# KiCad board MPU_MOD.kicad_pcb (continued)
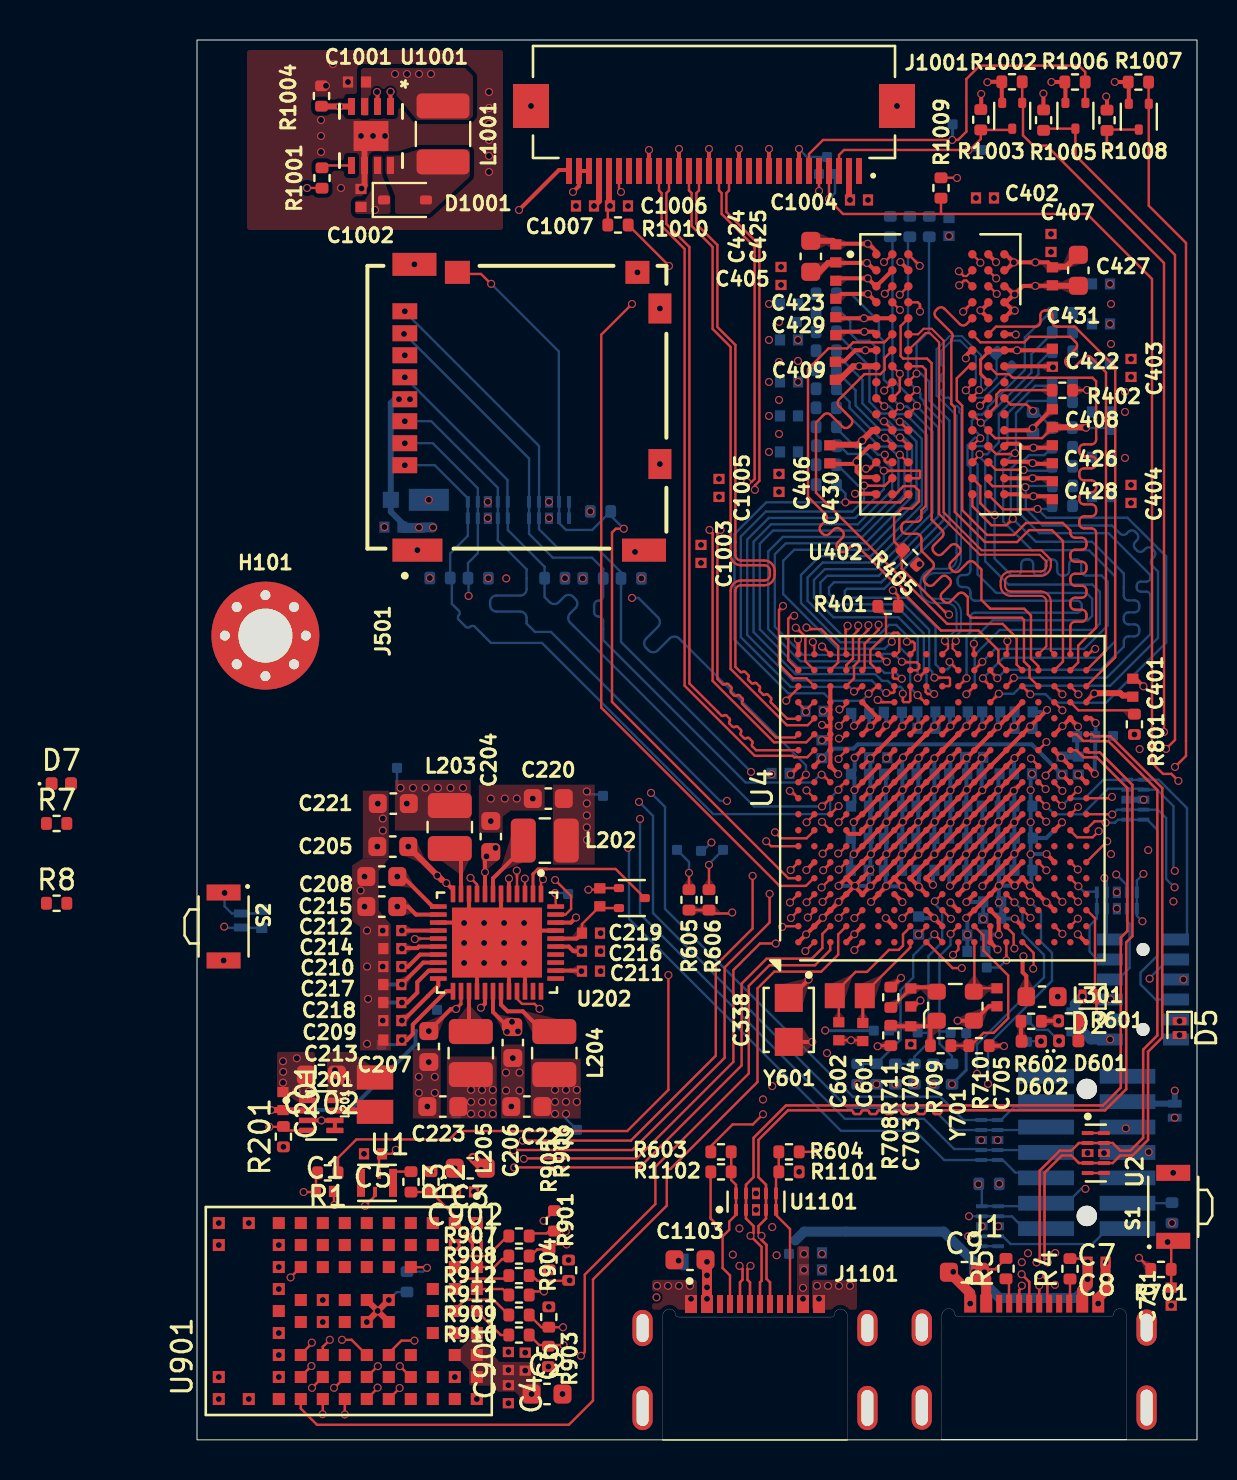
[diagram p0: board, top side]
## Nets (continued)
Net-(U4A-VDD1V2_DSI_PHY): C340.2 U4.A16 U4.B16
Net-(U4A-VDDA1V1_REG): C342.1 U4.W11
Net-(U4A-VDDA1V8_DSI): C343.1 C344.1 U4.B12 U4.V11
Net-(U4A-VREF+): C339.1 C345.1 U4.N3
Net-(U4B-DDR_ZQ): R401.1 U4.F18
Net-(U4C-PA4): R603.1 U4.R4
Net-(U4C-PA5): R604.1 U4.P4
Net-(U4C-PC14): C601.2 U4.H1 Y601.2
Net-(U4C-PC15): C602.1 U4.H2 Y601.1
Net-(U4E-BOOT0): R702.1 R707.2 TP706.1 U4.K1
Net-(U4E-BOOT1): R703.1 R706.1 TP705.1 U4.K4
Net-(U4E-BOOT2): R704.1 R705.2 TP703.1 U4.L2
Net-(U4E-NRST_CORE): C702.2 U4.J2
Net-(U4E-PWR_LP): TP704.1 U4.P1
Net-(U4F-USB_RREF): R801.2 U4.V16
Net-(U201-SW): L201.1 U201.7
Net-(U202-VLX1): L202.1 U202.7
Net-(U202-VLX2): L203.1 U202.11
Net-(U202-VLX3): L204.1 U202.29
Net-(U202-VLX4): L205.1 U202.25
Net-(U202-~{PONKEY}): C203.2 D3.1 S2.1 U202.17
Net-(U202-~{RST}): R203.1 U202.1
Net-(U402-ZQ): R402.1 U402.L8
Net-(U703-I/O_4): U703.5 U703.6
Net-(U901A-CONFIG0): R6.2 U901.D3
Net-(U901A-PDN): C1.1 R1.2 U901.J3
Net-(U901A-SD_CLK): R911.2 U901.A4
Net-(U901A-SD_CMD): R912.2 U901.B4
Net-(U901A-SD_DAT0): R907.2 U901.B3
Net-(U901A-SD_DAT1): R908.2 U901.A3
Net-(U901A-SD_DAT2): R909.2 U901.B5
Net-(U901A-SD_DAT3): R910.2 U901.A5
Net-(U1001-CTRL): R1001.1 U1001.5
Net-(U1001-FB): R1004.2 U1001.2 U1001.4
Net-(Y701-Tri-State): C703.2 R708.2 R709.2 Y701.1
Net-(Y701-VDD): C704.1 R711.1 Y701.4

Pads without a net: C214 2; J1 A8 B8; J701 01 02 09; J1101 A8 B8; U1 1; U2 1 5 6 10; U4 A9 B7 B11 D10 D12 F1 F2 F3 G1 G3 J19 K18 L16 N19 P3 T1 T2 T3 T7 T8 T14 T16 U1 U5 U7 U9 U15 V7 W5 W7; U202 18 33 34 35 37 38; U402 J1 J9 L1 L9 M7; U501 5 6; U901 B6 B9 C1 C2 C4 C5 C6 C8 C9 D1 D2 D7 D9 E1 E2 E3 E8 F1 F2 F3 G1 G2 G3 G4 G5 G7 H1 H2 H3 J1 J2 J4 J5 K1 K5 K9

## Via types
v1: diameter 0.4, hole 0.3, 1L.Cu to 8L.Cu, 769 vias

## Routing (per net, layer and track width the routed paths; a pad name or vN(x,y) marks a point on that pad's centre or on a via; arc(x,y) is an arc through that point)
1V8: length 96.1
  1L.Cu w0.118: R1010.2 20.54,61.6 v1(20.65,61.71) ; v1(38,63.11) 37.99,63.12 R1009.2
  1L.Cu w0.2: v1(45.46,67.18) 45.5,67.14 R1008.2 ; R1003.2 39.21,66.55 v1(39.21,67.31) ; v1(10.25,21.87) 10.52,21.87 11.02,22.37 11.02,22.9 11.59,23.47 U202.21
  1L.Cu w0.3: J1001.26 20.6,61.76 v1(20.65,61.71)
  5L.Cu w0.2: 38.77,63.91 38,63.91 ; 38.77,63.91 40.05,63.91 43,66.86 43,66.87 43.31,67.18 v1(45.46,67.18) ; 38.77,63.91 39.21,63.91 v1(39.21,67.31) ; 38,63.91 v1(38,63.11) ; 38,63.91 36.65,63.91 33.85,61.11 20.95,61.11 20.9,61.06
  5L.Cu w0.5: v1(10.25,21.87) 9.21,22.91 8,22.91 7.14,23.77 7.14,33.25 10.1,36.21 19,36.21 24.2,41.41 24.2,46.41 20.9,49.71 20.9,61.46 v1(20.65,61.71)
  8L.Cu w0.2: TP207.1 9.33,21.87 v1(10.25,21.87)
1V8_WIFI: length 3.9
  1L.Cu w0.118: U1.4 9.1,14.16 C5.1 9.74,14.31 v1(9.94,14.51)
  1L.Cu w0.3: v1(13.99,9.75) 13.96,9.75 v1(13.5,10.21) ; 14.32,13.59 14.28,13.59 v1(14.2,13.51) 14.52,13.51 14.62,13.4
  1L.Cu w0.5: 14.32,13.59 v1(13.8,14.11)
  vias: v1(6.9,18.5) v1(6.9,17.91) v1(7.5,17.91) v1(13.85,12.41)
1V8_WIFI_EN: length 42.8
  1L.Cu w0.118: U4.E3 33.26,26.49 v1(32.87,26.1) ; v1(3.62,15.66) 4.15,15.66 4.17,15.68 R201.2 4.52,15.48 5.53,15.48
  3L.Cu w0.118: v1(28.3,17.03) 28.96,17.03 29.39,17.46 29.39,17.89 33.4,21.9 33.4,25.65 32.95,26.1 v1(32.87,26.1)
  6L.Cu w0.118: v1(3.62,15.66) 4.55,15.66 8,12.21 11.7,12.21 12.1,11.81 16,11.81 17,12.81 17.04,12.81 19.31,15.08 26.28,15.08 28.23,17.03 v1(28.3,17.03)
2V8: length 80.8
  1L.Cu w0.2: U202.23 12.45,22.44 10.79,20.77 10.79,20.3 10.49,20 v1(10.25,20) 10.25,19.85
  1L.Cu w0.3: J1001.27 20.1,61.96 v1(19.85,61.71) ; v1(32.65,62.01) 32.6,62.06 J1001.2
  5L.Cu w0.5: v1(32.65,62.01) 32.65,62.46 32,63.11 20.7,63.11 19.85,62.26 v1(19.85,61.71) 19.6,61.46 19.6,49.21 23.2,45.61 23.2,42.01 18.6,37.41 9.5,37.41 6.1,34.01 6.1,23.21 9.31,20 v1(10.25,20)
  8L.Cu w0.15: v1(10.25,20) 10.02,19.77 TP203.1
3V3: length 152.1
  1L.Cu w0.118: R906.2 17.36,10.96 v1(17.33,10.96)
  1L.Cu w0.2: R602.2 42.24,20.96 v1(43.08,20.96) ; v1(42.32,67.33) 42.32,66.52 R1005.2 ; U202.22 12.06,22.72 10.31,20.97 v1(10.25,20.97) 10.25,20.77 ; U202.27 14.4,21.82 v1(14.19,21.61)
  3L.Cu w0.2: v1(14.19,21.61) 14.19,17.47 14.29,17.37
  5L.Cu w0.118: v1(19.29,43.08) 19.3,43.09 19.3,46.07 v1(19.67,46.43)
  5L.Cu w0.2: 10.5,62.16 14.75,62.16 18,65.41 35.69,65.41 38.74,68.46 41.19,68.46 v1(42.32,67.33)
  5L.Cu w0.5: 7,43.1 v1(11.64,43.1) ; v1(10.25,20.97) 10.38,21.11 12.2,21.11 13.79,19.52 13.79,17.37 ; v1(10.5,68.31) 10.5,61.01 7,57.51 7,38.41 4.8,36.21 4.8,22.34 8.61,18.52 10.01,18.52 11.1,19.61 12.2,19.61 13,18.81
  6L.Cu w0.2: 14.79,16.37 15.45,15.71 25.25,15.71 28.14,18.6 33.89,18.6 34.72,19.43 34.72,20.43 35.8,21.51 38.6,21.51 39.15,20.96 v1(43.08,20.96)
  8L.Cu w0.118: v1(13.7,16.31) 12.99,16.31 TP211.1
  8L.Cu w0.15: v1(22.22,43.08) 22.22,43.08
  8L.Cu w0.5: 11.78,45.63 11.28,45.63
  vias: v1(9.9,68.31) v1(11.1,68.31) v1(11.1,45.63) v1(11.7,68.31) v1(11.8,45.63) v1(13.7,17.51) v1(13.7,16.91) v1(14.25,17.51) v1(14.25,16.91) v1(14.25,16.31) v1(14.57,43.09) v1(14.79,17.51) v1(14.79,16.91) v1(14.79,16.31) v1(15.46,43.08) v1(15.57,3.5) v1(15.57,2.74) v1(16.41,3.47) v1(16.72,2.3) v1(17.6,8.51) v1(17.59,6.66) v1(17.57,3.67) v1(18.4,43.09) v1(18.58,9)
/MPU_PWR/VDDA: length 7.6
  1L.Cu w0.2: L301.2 41.46,23.21 41.28,23.39 41.28,24.1 41.32,24.14 v1(41.32,24.19) ; v1(38.47,26.9) 38.47,26.9 U4.M4 38.87,27.29
  3L.Cu w0.2: v1(41.32,24.19) 41.29,24.22 41.29,24.93 40.17,26.05 v1(39.31,26.05)
  8L.Cu w0.2: 39.31,26.06 v1(39.31,26.05) 39.31,26.87 39.28,26.9 v1(38.47,26.9)
GND: length 245
  1L.Cu w0.118: v1(44.5,52.51) 44.48,52.49 R402.2 ; C601.1 33.25,19.99 v1(32.7,19.99) C602.2 ; U4.U17 42.87,37.69 v1(43.27,37.29) ; U402.J2 34.77,52.89 v1(34.36,52.48) ; U402.J2 34.77,52.89 ; U402.J2 34.78,52.89 ; 43.72,33.69 U4.V12 ; U1.2 8.9,12.21 v1(8.4,11.71) ; R1102.1 25.68,13.4 25.68,11.08 v1(26.05,10.71) ; v1(44.91,39.56) 44.83,39.56 44.56,39.29 U4.W19 ; v1(34.79,42.49) 35.06,42.22 R401.2 ; C1.2 6.85,11.76 v1(6.86,11.75)
  1L.Cu w0.15: U402.P1 33.64,48.57 v1(33.45,48.57) ; v1(36.17,21.98) 35.87,21.68 C704.2 ; U402.T1 33.93,47.29 ; U402.G9 U402.G8 39.57,54.41 39.18,54.02 39.18,53.81 39.18,53.31 39.57,52.92 U402.J8
  1L.Cu w0.2: U4.H15 v1(35.27,35.69) U4.G14 U4.E12 ; U4.R6 U4.P5 ; U4.P5 40.52,28.09 v1(40.89,27.72) 41.26,28.09 U4.R5 v1(41.66,27.71) v1(42.47,26.89) U4.U3 ; U4.P5 v1(40.09,27.72) U4.N4 ; U4.K5 v1(38.45,29.28) U4.R10 ; U202.30 15.6,24.27 ; v1(33.67,28.5) 33.27,28.1 U4.E5 ; U4.R8 v1(40.05,29.28) U4.L4 v1(38.47,27.69) ; U4.V12 43.24,34.12 v1(43.21,34.12) 42.87,34.47 U4.U13 ; v1(31.3,36.46) 31.31,36.46 31.36,36.51 31.67,36.51 ; U4.U8 43.25,30.88 v1(43.25,30.89) ; U202.6 15.2,25.07 U202.45 ; U4.D5 32.46,28.09 v1(32.08,27.71) ; U4.D5 U4.E4 v1(33.67,27.7) v1(35.25,29.28) v1(36.88,30.91) U4.K9 v1(38.49,32.51) U4.R14 v1(41.66,35.68) U4.T15 42.08,36.09 v1(42.5,36.51) ; U4.D5 U4.E6 v1(35.29,30.91) U4.H9 v1(38.48,34.11) U4.N14 v1(40.04,35.67) U4.P15 U4.R16 ; U402.D8 39.57,56.84 39.21,56.49 v1(39.17,56.49) 39.57,56.09 U402.E8 ; 27.1,63.51 v1(27.1,64.56) ; Q3.2 46.59,67.88 R1007.1 46.56,67.91 v1(45.89,67.91) ; 28.6,63.51 v1(28.6,64.56) ; 25.6,63.51 v1(25.6,64.56) ; v1(30.05,40.03) 30.07,40.01 U4.A19 ; Q2.2 43.42,67.88 R1006.1 v1(42.72,67.91) ; U202.41 15.6,25.47 ; U4.U14 v1(43.27,35.7) U4.V15 43.67,36.06 v1(44.05,35.67) ; 31.67,36.51 U4.C17 ; 31.67,36.51 31.67,35.69 ; 42.77,58.67 42.55,58.89 v1(41.92,58.89) v1(40.84,58.89) ; U402.G9 v1(41,54.49) 42.66,54.49 ; U402.B3 35.57,58.51 v1(35.17,58.91) ; v1(38.03,20.97) Y701.2 38.87,20.97 39.59,21.69 C705.1 ; U4.E14 v1(33.67,35.69) U4.F15 U4.E16 ; U4.N4 39.72,27.29 ; U4.N4 U4.M3 38.85,26.49 v1(38.46,26.1) ; U402.A9 40.44,59.29 v1(40.84,58.89) ; v1(32.9,47.32) 33.78,47.32 33.84,47.38 ; 31.67,35.69 31.31,35.69 v1(31.25,35.76) ; 31.67,35.69 31.67,35.05 ; 40.37,50.49 41.68,50.49 v1(41.79,50.59) 42.77,51.57 ; U201.5 U201.6 v1(6.22,15.98) 5.53,15.98 ; U202.32 16.4,23.47 16.19,23.69 ; U4.G4 34.88,27.29 v1(35.27,26.9) ; v1(42.48,29.3) 42.87,28.91 U4.U6 ; Q1.2 40.24,66.88 R1002.1 39.54,67.92 v1(39.52,67.9) ; v1(30.76,19.91) 30.76,19.91 C338.2 ; U4.K2 v1(36.87,26.1) U4.J3 ; 42.77,48.81 41.93,48.81 41.89,48.85 v1(41.78,48.85) 41.74,48.81 41.74,48.89 41.71,48.92 40.39,48.92 U402.P9 ; 42.77,47.01 42.59,47.19 v1(41.82,47.19) 41.31,47.19 41.22,47.29 U402.T9 ; U4.R12 v1(38.49,30.91) U4.L8 v1(36.87,29.29) U4.H5 v1(36.09,27.67) U4.J4 ; U402.F9 40.93,55.29 v1(40.94,55.28) ; v1(40.35,19.7) 40.33,19.72 R710.2 ; v1(34.44,26.1) 34.85,25.69 U4.G2 ; v1(40.84,58.89) 40.44,58.49 U402.B9 ; 35.62,21.69 35.69,21.62 ; U4.E5 33.28,28.09 ; U4.E5 v1(32.08,26.91) v1(31.29,26.11) v1(30.46,25.28) U4.A1 ; U402.G1 v1(33.42,54.49) 32.91,54.49 32.37,53.95 32,53.95 ; 24.1,63.51 v1(24.1,64.56) ; 31.67,35.05 U4.C12 31.67,33.69 v1(32.06,33.3) ; 31.67,35.05 31.31,35.05 v1(31.25,34.99) ; v1(30.47,28.5) 30.47,28.5 U4.B6 ; U4.E2 v1(32.87,25.29) U4.D1 ; U402.D1 v1(33.55,57.31) 32.21,57.31 31.94,57.04 ; 13.6,26.46 13.61,26.45 ; v1(44.04,25.29) 44.44,24.89 U4.W1 ; J1001.22 v1(22.6,64.51) ; 31.94,58.86 v1(33.5,58.86) 33.52,58.86 33.89,58.49 U402.B1 ; U4.K15 U4.J14 v1(35.3,34.13) v1(33.66,32.48) U4.E10 ; C401.1 46.94,38.07 v1(47.32,37.69) ; U202.26 14,23.87 ; U4.M15 v1(38.47,35.69) U4.L14 v1(35.28,32.5) U4.G10 v1(33.67,30.89) U4.E8 33.27,30.44 33.14,30.31 32.6,30.31 32.47,30.44 U4.D8 ; 30.1,63.51 v1(30.1,64.56) ; v1(40.89,26.07) U4.R2 ; 31.94,56.18 32.03,56.09 v1(33.35,56.09) U402.E1 U402.E2 ; U202.15 14,25.87 ; U202.10 13.6,26.27
  1L.Cu w0.3: 42.66,54.49 42.77,54.6 42.77,54.6 ; C427.1 43.47,58.67 42.77,58.67 ; U1001.9 8.37,64.88 U1001.6 8.37,62.73 v1(8.22,62.58) C1002.1 ; 31.64,49.77 33.05,49.77 v1(33.26,49.98) 33.77,50.49 U402.M1 ; U901.F4 v1(9.03,6.45) U901.E5 ; U402.M9 40.37,50.49 ; v1(9.59,7) v1(8.49,5.9) ; C424.1 31.11,58.41 31.56,58.86 31.94,58.86
  1L.Cu w0.5: C9.1 37.61,8.39 38.66,7.34 v1(38.66,6.82) ; v1(45.06,6.82) 45.06,7.1 45.43,7.47 v1(45.43,8.07) v1(45.43,8.89)
  8L.Cu w0.118: v1(25.72,29.88) 25.3,29.46 TP605.1 ; v1(9.59,7) 9.99,7.4 R6.1 ; C203.1 1.42,25.61 v1(1.36,25.67) 1.43,25.6 ; v1(30.1,64.56) 30.5,64.16 TP1005.1 ; 23.97,8.91 24.03,8.97 v1(24.08,8.97)
  8L.Cu w0.15: v1(37.75,17.79) 38.46,18.5 TP707.1
  8L.Cu w0.2: v1(38.47,35.69) 38.54,35.77 C325.1 38.47,36.34 ; v1(36.87,29.29) 36.87,29.3 C315.1 v1(36.87,32.51) v1(36.87,34.09) ; C308.1 33.59,27.71 v1(32.9,27.71) v1(32.08,27.71) ; C702.1 36.16,26.1 v1(36.87,26.1) ; v1(33.67,30.89) 33.67,30.89 33.67,31.56 ; v1(33.67,30.89) 33.67,30.9 v1(33.67,34.09) ; v1(33.67,30.89) 33.67,30.89 33.67,30.25 33.8,30.12 33.69,30.01 v1(33.69,29.29) 33.67,29.27 33.67,28.65 ; 38.52,24.46 v1(38.52,25.27) 38.52,26.04 v1(38.46,26.1) ; v1(40.89,27.72) 40.89,27.72 v1(40.09,27.72) ; v1(33.67,35.69) 33.61,35.75 C329.1 ; 35.22,33.3 35.27,33.25 35.27,30.14 35.22,30.09 35.22,28.49 ; v1(40.09,27.72) 40.09,28.49 40.07,28.51 v1(40.07,30.92) v1(40.07,32.51) 40.07,33.25 C307.1 ; v1(40.09,27.72) 40.09,27.72 40.09,26.99 40.21,26.87 40.21,26.05 40.23,26.07 v1(40.89,26.07) ; v1(41.75,33.31) 41.68,33.24 v1(41.68,32.5) v1(41.68,30.9) v1(41.68,29.29) ; C327.1 35.24,35.72 v1(35.27,35.69) ; v1(41.68,29.29) 41.69,29.3 v1(42.48,29.3) ; v1(41.68,29.29) 41.68,28.53 41.72,28.49 41.72,27.77 v1(41.66,27.71) ; v1(44.05,35.67) 44.05,35.2 C341.2 44.01,34.22 C342.2 ; v1(43.25,30.89) 42.46,30.1 C302.1 ; 33.61,36.39 33.67,36.33 ; v1(40.04,35.67) 40.04,35.67 40.04,36.29 C324.1 ; 38.47,36.42 38.47,36.42 ; v1(35.3,34.13) 35.26,34.09 C321.1 ; v1(38.48,34.11) 38.47,34.09 v1(38.47,27.69) ; 41.68,36.31 C328.1 42.4,36.41 v1(42.5,36.51) ; C336.2 38.47,28.53 ; v1(36.87,35.69) 36.87,36.36 C326.1 ; v1(36.09,27.67) 36.09,28.4
  8L.Cu w0.3: v1(47.33,32.02) U5.8 ; D1101.2 23.97,8.91 ; C344.2 C342.2
  8L.Cu w0.5: v1(44.27,22.18) 43.89,21.8 D4.2
  vias: v1(1.09,10.85) v1(1.09,9.75) v1(1.09,3.15) v1(1.09,2.05) v1(1.33,23.98) v1(2.59,10.85) v1(2.59,2.05) v1(4.09,9.75) v1(4.09,8.65) v1(4.09,7.55) v1(4.09,5.35) v1(4.09,4.25) v1(4.09,3.15) v1(4.3,18.94) v1(4.31,18.41) v1(4.3,17.87) v1(4.32,14.66) v1(4.99,19.09) v1(4.98,17.43) v1(5.59,17.43) v1(6.2,66.01) v1(6.2,65.21) v1(6.2,64.41) v1(6.29,7) v1(6.29,5.9) v1(6.45,67.72) v1(6.8,68.81) v1(7.2,62.61) v1(7.55,67.91) v1(8.2,65.21) v1(8.18,27.48) v1(8.35,14.31) v1(8.38,28.17) v1(8.38,26.67) v1(8.5,25.47) v1(8.5,23.67) v1(8.5,19.81) v1(8.56,22.05) v1(8.8,65.21) v1(9.04,31.82) v1(9.02,29.67) v1(9.29,31.07) v1(9.29,30.47) v1(9.28,25.47) v1(9.28,23.67) v1(9.28,20.97) v1(9.4,65.21) v1(9.37,45.65) v1(10.39,54.24) v1(10.87,58.79) v1(11.02,44.5) v1(11.09,18.16) v1(11.09,17.36) v1(11.52,16.67) v1(11.59,47.01) v1(11.59,18.9) v1(11.7,13.42) v1(11.89,18.16) v1(11.89,17.36) v1(12.89,13.59) v1(12.89,9.75) v1(12.89,3.15) v1(12.95,12.41) v1(13.36,25.85) v1(13.36,24.85) v1(13.36,23.85) v1(13.99,10.85) v1(13.99,2.05) v1(14.36,25.85) v1(14.36,24.85) v1(14.36,23.85) v1(14.54,46.91) v1(14.54,46.09) v1(14.6,67.41) v1(14.6,66.61) v1(14.6,65.81) v1(14.6,65.01) v1(14.6,64.21) v1(14.6,63.41) v1(14.69,32.07) v1(14.69,30.95) v1(15.39,32.07) v1(15.36,25.85) v1(15.36,24.85) v1(15.36,23.85) v1(15.45,18.37) v1(15.45,17.47) v1(15.57,4.4) v1(15.57,1.84) v1(15.72,16.67) v1(15.79,19.1) v1(15.99,32.07) v1(16.12,18.37) v1(16.12,17.47) v1(16.36,25.85) v1(16.36,24.85) v1(16.36,23.85) v1(16.41,4.37) v1(16.7,66.71) v1(16.79,32.07) v1(17.6,46.91) v1(17.6,46.09) v1(18.28,2.3) v1(18.95,61.71) v1(20.18,25.35) v1(20.18,24.45) v1(20.18,23.45) v1(21.55,61.71) v1(21.9,44.41) v1(22.02,58.39) v1(23,7.71) v1(23.14,56.58) v1(23.14,48.8) v1(23.55,7.71) v1(24.1,7.71) v1(24.65,7.71) v1(24.7,7.06) v1(25.2,43.86) v1(26.1,47.16) v1(26.79,9.27) v1(27.12,10.58) v1(27.95,12.33) v1(27.95,11.51) v1(28.6,56.81) v1(28.6,55.01) v1(28.6,52.91) v1(28.6,51.21) v1(28.6,49.41) v1(28.73,33.3) v1(28.76,10.65) v1(28.98,9.24) v1(29.1,55.91) v1(29.1,53.91) v1(29.1,52.01) v1(29.1,50.31) v1(29.1,48.31) v1(29.2,57.76) v1(30.11,13.41) v1(31,7.71) v1(31.1,7.06) v1(31.25,9.31) v1(31.25,8.51) v1(31.55,7.71) v1(32.1,7.71) v1(32.65,7.71) v1(33.55,62.01) v1(33.97,17.79) v1(35,66.71) v1(35.69,19.79) v1(35.87,17.79) v1(36.13,43.8) v1(37.6,60.21) v1(37.81,8.41) v1(38.95,62.11) v1(39.21,15) v1(39.24,10.69) v1(40.03,15) v1(40.09,26.88) v1(40.06,10.69) v1(41.24,8.89) v1(41.55,9.34) v1(42.7,60.31) v1(42.91,9.35) v1(42.9,7.76) v1(44.53,14.35) v1(45.35,14.35) v1(45.65,57.81) v1(45.7,56.81) v1(45.65,55.81) v1(45.7,54.81) v1(45.99,27.39) v1(45.99,26.57) v1(46.4,52.41) v1(46.4,51.41) v1(46.4,49.11) v1(46.44,15.58) v1(46.7,53.16) v1(46.7,47.76) v1(46.87,35.28) v1(47.59,14.4) v1(48.71,6.72) v1(48.81,13.36) v1(48.75,10.85) v1(48.89,16.12) v1(49.13,20.25)
VDD: length 70.9
  1L.Cu w0.118: R701.2 47.11,9.11 v1(47.1,9.11) ; R605.2 25.1,26.5 ; 25.1,26.5 25.5,26.5 ; 25.1,26.5 R606.2 25.73,26.5 25.9,26.33 26.71,26.33 v1(26.76,26.38) ; U202.31 16,22.06 16.25,21.81 16.88,21.81 v1(17.12,21.56)
  1L.Cu w0.2: U4.N2 U4.N1 39.67,24.89 v1(40.03,24.53) ; v1(39.27,27.7) 39.66,28.09 U4.N5 U4.R7 ; v1(29.68,33.28) 30.07,33.67 U4.A12 ; U202.42 18.69,25.87 v1(18.95,26.13) ; v1(35.2,23.11) 35.08,22.99 35.08,22.98 34.69,22.59 ; v1(37.67,26.88) 38.06,26.49 U4.L3 ; v1(34.47,34.09) 34.47,34.1 U4.G13 ; U4.R11 v1(40.84,32.47) U4.M8 v1(37.66,29.28) U4.J5 36.47,28.09 v1(36.8,27.76) ; U4.R9 v1(40.86,30.89) v1(39.26,29.28) U4.L5 37.67,27.7 v1(37.65,27.7)
  3L.Cu w0.2: 17.99,17.37 17.99,19.85 17.1,20.74 17.1,21.53 v1(17.12,21.56) ; v1(18.95,26.13) 18.95,26.1 18.11,25.25 18.11,20.65 18.49,20.27 18.49,17.37
  5L.Cu w0.2: v1(34.47,34.09) 34.47,35.11 34.85,35.11 ; 34.85,35.11 32.85,35.11 32.3,34.56 30.55,34.56 29.68,33.69 v1(29.68,33.28) ; 34.85,35.11 41.55,35.11 42.5,34.16
  8L.Cu w0.118: TP210.1 18.45,16.06 v1(18.45,16.31)
  8L.Cu w0.15: v1(31.41,20.48) 31.42,20.47 TP701.1
  8L.Cu w0.2: 40.82,28.49 40.87,28.54 v1(40.87,29.31) C306.2 40.87,32.44 v1(40.84,32.47) ; 39.19,28.49 39.27,28.57 v1(39.27,30.88) 39.27,31.67 C337.1 ; v1(37.66,29.28) 37.67,29.27 37.67,28.55 C336.1 37.61,27.74 v1(37.65,27.7) ; 34.48,34.1 v1(34.47,34.09) ; v1(36.8,27.76) 36.8,28.42 C301.2
  8L.Cu w0.3: v1(48.89,17.47) D6.1 46.63,16.82 J701.03
  vias: v1(17.9,17.51) v1(17.9,16.91) v1(17.9,16.31) v1(18.45,17.51) v1(18.45,16.91) v1(18.99,17.51) v1(18.99,16.91) v1(33.03,17.79) v1(34.92,17.79) v1(36.81,17.79) v1(43.04,22.17)
VDD_CORE: length 65.5
  1L.Cu w0.2: v1(32.88,34.12) 33.25,34.49 U4.E13 ; v1(32.87,32.5) 33.26,32.89 U4.E11 U4.F12 ; U4.L13 v1(37.67,34.1) U4.G9 v1(34.47,30.89) U4.E7 32.87,29.29 v1(32.83,29.29) ; U4.F4 v1(36.06,29.29) v1(39.26,32.49) v1(40.87,34.1) U4.R13 ; U4.F4 34.06,27.29 ; U4.F4 34.07,27.28 v1(33.7,26.91) ; U202.5 v1(15.6,28.07) ; U4.G5 v1(35.28,27.69) U4.H4 ; U4.J13 v1(36.08,34.1) U4.G11 U4.E9 33.23,31.29 v1(32.83,30.89) ; U4.F6 U4.N13
  3L.Cu w0.2: v1(15.6,28.07) 15.59,28.07
  5L.Cu w0.2: 19.49,30.67 17.34,30.67 15.44,28.76 15.44,28.23 15.59,28.07
  8L.Cu w0.118: v1(19.49,32.43) 19.64,32.28 20.22,32.28 TP208.1
  8L.Cu w0.2: 34.44,31.82 v1(34.44,32.51) 34.44,33.18 34.32,33.3 ; v1(34.47,29.29) 34.47,29.92 ; v1(34.47,29.29) 34.47,30.89 v1(34.47,30.89) 34.47,31.55 ; v1(34.47,29.29) 34.44,29.26 34.44,28.52 ; C321.2 34.44,33.38 ; v1(35.28,27.69) 34.46,27.69 v1(34.45,27.69) 34.43,27.72 34.43,28.41 C312.2 ; C313.2 32.87,31.87 v1(32.87,32.5) 32.87,33.13 C314.2 32.88,33.48 v1(32.88,34.12) ; v1(37.67,34.1) 37.67,34.1 v1(37.67,32.49) v1(37.67,30.87) 37.67,30.16 C320.2 ; 35.28,27.68 35.28,27.68 ; v1(36.06,29.29) 36.07,29.3 36.07,29.99 C315.2 36.06,30.18 v1(36.06,30.91) v1(36.06,32.51) 36.06,33.23 C309.2 36.07,33.4 36.07,34.1 v1(36.08,34.1) ; 34.32,28.49 34.45,28.36 ; v1(39.23,34.09) C307.2 39.23,32.52 v1(39.26,32.49) ; 32.64,28.52 32.72,28.6 32.72,29.17 v1(32.83,29.29) v1(32.83,30.89) ; v1(40.87,34.1) 40.85,34.08 C322.2
  vias: v1(19.49,31.83) v1(19.49,31.23) v1(19.49,30.63) v1(19.5,30.01)
VDD_DDR: length 56.3
  1L.Cu w0.118: U402.H2 34.77,53.69 v1(35.14,53.32) 35.14,52.45 34.78,52.09 ; v1(13.67,28.11) 14,27.78 U202.9 ; v1(35.15,56.51) 34.77,56.89 U402.D2
  1L.Cu w0.15: v1(39.15,51.72) 39.52,52.09 U402.K8
  1L.Cu w0.2: U402.N1 33.62,49.69 32.98,49.05 v1(32.98,48.91) 32.98,48.81 ; 13.7,28.11 v1(13.67,28.11) 13.67,28.17 ; 40.64,56.37 40.74,56.48 v1(40.89,56.48) ; 40.64,56.37 40.37,56.11 U402.E9 ; 40.64,56.37 40.77,56.51 40.39,56.89 U402.D9 ; U4.F14 34.43,35.66 34.43,35.72 v1(34.46,35.74) 34.52,35.74 U4.G15 ; U4.J15 v1(36.07,35.69) U4.H14 35.67,35.24 ; 31.64,48.81 32.98,48.81 ; 32.98,48.81 32.98,48.43 33.26,48.15 33.88,48.15 33.94,48.09 U402.R1 ; U402.C1 33.97,57.74 ; U402.C1 33.94,57.69 v1(33.54,58.09) 32.03,58.09 31.94,58 32.06,58.12 ; U402.C1 U402.B2 ; U202.13 11.78,26.67 10.28,28.17 v1(10.02,28.17) ; U402.D9 40.45,56.89 40.85,57.29 v1(40.88,57.29) ; U402.D9 40.37,56.94 ; U402.R9 v1(41.78,48.09) 42.65,48.09 42.77,47.97 ; U402.F1 33.84,55.42 v1(33.37,55.42) 32.2,55.42 31.99,55.21 ; 42.77,57.71 v1(41.92,57.71) 41.92,57.71 41.3,57.71 v1(40.88,57.29) ; U4.R15 v1(40.85,35.68) U4.P14 ; U4.L15 v1(37.67,35.69) U4.K14 ; U402.A8 39.57,59.28 v1(39.95,58.9) ; v1(42.8,53.64) 42.73,53.64 42.68,53.69 U402.H9 ; v1(38.44,54.09) 38.39,54.14 38.39,54.17 38.71,54.49 U402.G7 ; U4.M14 v1(39.27,35.69) U4.N15 ; v1(40.88,57.29) 40.83,57.29 40.43,57.69 U402.C9 ; v1(32.85,35.71) 32.88,35.71 U4.E15 33.26,36.09 ; U402.N9 40.49,49.82 41.09,49.82 41.29,49.62 v1(41.82,49.62) 42.61,49.62 42.77,49.77 ; 31.94,59.82 v1(33.54,59.82) 33.58,59.82 33.97,59.43 U402.A1
  1L.Cu w0.3: C424.2 31.8,59.96 31.94,59.82 ; 42.77,57.71 42.77,57.72 C427.2
  4L.Cu w0.118: v1(13.3,32.61) 13.67,32.23 v1(13.67,28.11)
  4L.Cu w0.2: v1(10.02,28.17) 9.88,28.31 9.88,32.31 v1(10.17,32.61)
  8L.Cu w0.118: 10.1,32.61 10,32.71 TP209.1
  8L.Cu w0.2: v1(37.67,35.69) 37.64,35.72 C325.2 ; 32.71,36.39 32.85,36.25 v1(32.85,35.71) ; 36.1,35.66 v1(36.07,35.69) 36.07,36.36 C326.2 ; v1(40.85,35.68) 40.85,36.38 C328.2 ; C327.2 34.46,36.27 v1(34.46,35.74) ; v1(39.27,35.69) 39.27,36.4 C324.2
  vias: v1(10.49,31.82) v1(10.8,32.61) v1(11.42,32.61) v1(12.05,32.61) v1(12.67,32.61) v1(25.2,44.76) v1(26.1,48.06) v1(29.1,47.41) v1(29.2,58.66) v1(39.85,62.11) v1(42.7,59.41) v1(46.7,54.06) v1(46.7,46.86)
VDD_USB: length 39.6
  1L.Cu w0.2: U4.W15 44.69,36.09 v1(44.93,35.85) ; v1(44.89,33.31) 44.51,33.69 U4.W12 ; U202.39 18.59,24.67 18.82,24.45 v1(19.22,24.45)
  6L.Cu w0.5: v1(19.22,24.45) 19.22,25.43 19.79,26 24.64,26 27.8,29.16 28.47,29.16 29.44,30.13 43.69,30.13 44.91,31.35 44.91,35.83 v1(44.93,35.85)
  8L.Cu w0.118: C341.1 44.95,35.21 TP205.1
  8L.Cu w0.2: v1(44.89,33.31) 44.89,34.07 44.91,34.09 C341.1 44.93,35.18 v1(44.93,35.85)
VDDA: length 3.3
  1L.Cu w0.2: v1(10.25,22.77) 10.25,22.8 11.31,23.87 U202.20
  8L.Cu w0.2: TP206.1 9.33,22.77 v1(10.25,22.77)
VIN: length 76
  1L.Cu w0.118: R5.2 39.94,8.57 39.94,8.54 39.52,8.54 v1(39.37,8.39) ; v1(44.53,8.89) 44.35,9.07 R4.2
  1L.Cu w0.15: 13.19,22.43 U202.24 13.2,21.8 v1(12.95,21.55)
  1L.Cu w0.2: v1(12.95,21.55) 12.69,21.55 v1(11.59,20.45) ; 14.39,27.32 U202.8 v1(14.4,28.39) 14.4,29.11 14.84,29.55 14.86,29.55 ; v1(15.5,20.41) 15.34,20.57 15.34,20.86 14.8,21.4 U202.28 ; v1(10.25,23.67) 10.56,23.67 11.16,24.27 U202.19 ; U202.36 19.19,23.47 v1(19.22,23.45) ; 10.64,29.47 10.64,29.47 ; 12.14,28.17 v1(12.47,27.85) 12.8,27.51 U202.12
  1L.Cu w0.3: 12.24,28 v1(12.02,28.22) v1(10.56,29.67) ; 5.53,16.48 4.32,16.48 C201.2 v1(3.71,16.5)
  1L.Cu w0.5: 25.42,9.01 25.5,8.93 v1(25.5,8.91) v1(25.5,7.06) ; 39.14,8.39 39.46,8.07 J1.A4_B9 ; v1(44.53,8.89) C7.1 v1(44.53,8.04) 44.53,7.77 44.26,7.5 J1.B4_A9
  3L.Cu w0.5: 25.5,8.06 v1(25.5,7.06)
  6L.Cu w0.5: v1(30.35,8.51) v1(30.35,9.31) 30.35,9.96 36.9,16.51 41.3,16.51 44.82,20.03 v1(45.65,20.03)
  8L.Cu w0.2: v1(3.71,16.5) 3.72,16.51 7.65,16.51 10.92,19.78 10.92,20.42 10.96,20.46
  8L.Cu w0.5: D4.1 44.32,20.39 44.68,20.03 v1(45.65,20.03) ; D1.1 38.86,8.39 v1(39.37,8.39) 39.1,8.12 40.12,7.1 43.94,7.1 44.53,7.69 v1(44.53,8.04) v1(44.53,8.89) ; 29.92,9.98 30.36,10.42 37.33,10.42 38.85,8.9 v1(38.85,8.4)
  vias: v1(14.47,29.18) v1(14.92,29.61) v1(15.75,20.91) v1(16.05,20.43) v1(25.5,8.23) v1(25.5,7.63) v1(30.3,7.61) v1(30.3,7.06)
(no net):
  vias: v1(22.97,7.13)
/DDR/DDR_A0: length 29.4
  1L.Cu w0.118: v1(35.24,38.92) 35.27,38.89 35.99,38.89 36.11,38.77 36.11,38.6 36,38.49 U4.H18 ; v1(35.15,50.14) 35.57,49.72 U402.N3
  8L.Cu w0.118: v1(35.24,38.92) 34.85,39.31 34.32,39.31 34.27,39.26 30.3,39.26 28.89,40.67 28.89,44.29 29.44,44.84 33.41,44.84 35.7,47.13 35.7,48.8 35.75,48.85 35.75,49.73 35.34,50.14 v1(35.15,50.14) 34.97,50.14 34.59,50.52 34.13,50.52 34.05,50.6 34.05,50.61 32.93,51.73 32.93,52.49 31.97,53.45 R406.1
/DDR/DDR_A1: length 30.6
  1L.Cu w0.118: v1(39.13,49.29) 39.13,49.25 U402.P7 38.77,48.92 ; U4.M17 v1(38.47,37.29)
  8L.Cu w0.118: 42.76,54.52 42.07,53.83 42.07,53.29 40.09,51.31 40.09,49.88 39.5,49.29 v1(39.13,49.29) 39.13,49.16 39.41,48.88 39.41,43.94 40.57,42.78 44.77,42.78 45.14,42.41 45.14,40.82 44.83,40.51 40.13,40.51 38.89,39.26 38.89,37.72 38.47,37.3 v1(38.47,37.29)
/DDR/DDR_A2: length 28
  1L.Cu w0.118: v1(35.24,38.07) 34.85,38.07 34.79,38.13 34.79,38.42 U4.G18 ; 35.46,48.89 U402.P3 35.52,48.89 v1(35.14,49.27)
  8L.Cu w0.118: R408.1 32.18,51.62 34.12,49.68 34.58,49.68 34.99,49.27 v1(35.14,49.27) 35.07,49.2 35.07,47.39 33.16,45.48 28.8,45.48 28.14,44.82 28.14,40.54 30.06,38.62 34.11,38.62 34.38,38.35 34.95,38.35 v1(35.24,38.07)
/DDR/DDR_A3: length 26.9
  1L.Cu w0.118: U402.N2 34.77,49.74 v1(34.39,50.12) ; U4.F19 34.44,38.92 v1(34.49,38.92)
  8L.Cu w0.118: v1(34.49,38.92) 34.47,38.94 30.17,38.94 28.56,40.55 28.56,44.43 29.29,45.16 33.27,45.16 35.38,47.27 35.38,48.93 35.51,49.06 35.51,49.53 35.34,49.7 34.98,49.7 34.56,50.12 v1(34.39,50.12) 34.12,50.12 32.63,51.61 32.63,51.91 R409.1
/DDR/DDR_A4: length 26
  1L.Cu w0.118: U402.P8 39.94,48.52 41.32,48.52 v1(41.33,48.51) ; v1(40.84,38.12) 40.84,38.07 U4.P17
  8L.Cu w0.118: 42.68,48.52 42.76,48.44 ; R410.1 42.53,48.47 41.37,48.47 v1(41.33,48.51) 41.04,48.22 41.04,46.42 42.11,45.35 45.57,45.35 47.67,43.25 47.67,43.12 arc(47.61,42.98) 47.47,42.92 47.19,42.92 arc(47.04,42.86) 46.99,42.72 46.99,42.62 arc(47.04,42.48) 47.19,42.42 47.47,42.42 arc(47.61,42.36) 47.67,42.22 47.67,40.3 45.49,38.12 v1(40.84,38.12)
/DDR/DDR_A5: length 28.7
  1L.Cu w0.118: U4.H17 35.67,37.69 35.67,36.97 35.6,36.9 35.34,36.9 35.29,36.95 v1(35.29,37.32) ; v1(34.39,49.27) 34.39,48.97 34.47,48.89 U402.P2
  8L.Cu w0.118: v1(35.29,37.32) 35.29,37.55 35.18,37.66 34.83,37.66 34.54,37.96 34.26,37.96 33.92,38.3 29.93,38.3 27.83,40.4 27.83,44.92 28.7,45.79 33.04,45.79 34.76,47.51 34.76,48.56 34.39,48.93 v1(34.39,49.27) 34.05,49.27 33.71,49.61 32.96,49.61 31.97,50.6 R411.1 32.06,50.67
/DDR/DDR_A6: length 27.1
  1L.Cu w0.118: v1(40.09,37.32) U4.N16 ; v1(41.42,47.65) 41.38,47.69 39.78,47.69 39.57,47.91 U402.R8
  8L.Cu w0.118: R412.1 41.48,47.71 v1(41.42,47.65) 41.44,47.63 41.44,46.57 42.28,45.73 45.75,45.73 46.15,45.33 arc(46.32,45.26) 46.49,45.33 46.57,45.42 arc(46.74,45.49) 46.91,45.42 47,45.33 arc(47.07,45.16) 47,44.99 46.91,44.91 arc(46.84,44.74) 46.91,44.57 47,44.48 arc(47.17,44.41) 47.34,44.48 47.42,44.57 arc(47.59,44.64) 47.76,44.57 47.84,44.48 arc(47.92,44.31) 47.84,44.14 47.76,44.06 arc(47.69,43.89) 47.76,43.72 48.05,43.43 48.05,40.11 45.66,37.72 41.23,37.72 40.83,37.32 v1(40.09,37.32)
/DDR/DDR_A7: length 23.4